# Altium PCB SAMA5D27-SOM1-MFG-03.PcbDoc (part 4 of 6)
Units mm, origin at the board's own origin, x right, y up, seen from the top; angles counter-clockwise.
Board outline 40.03 x 38.03 mm, 6 copper layers (TOP, GND, IN2, IN3, PWR, BOTTOM), stack 1.24 mm thick; 188 components, 224 nets, 901 pads, 644 vias.
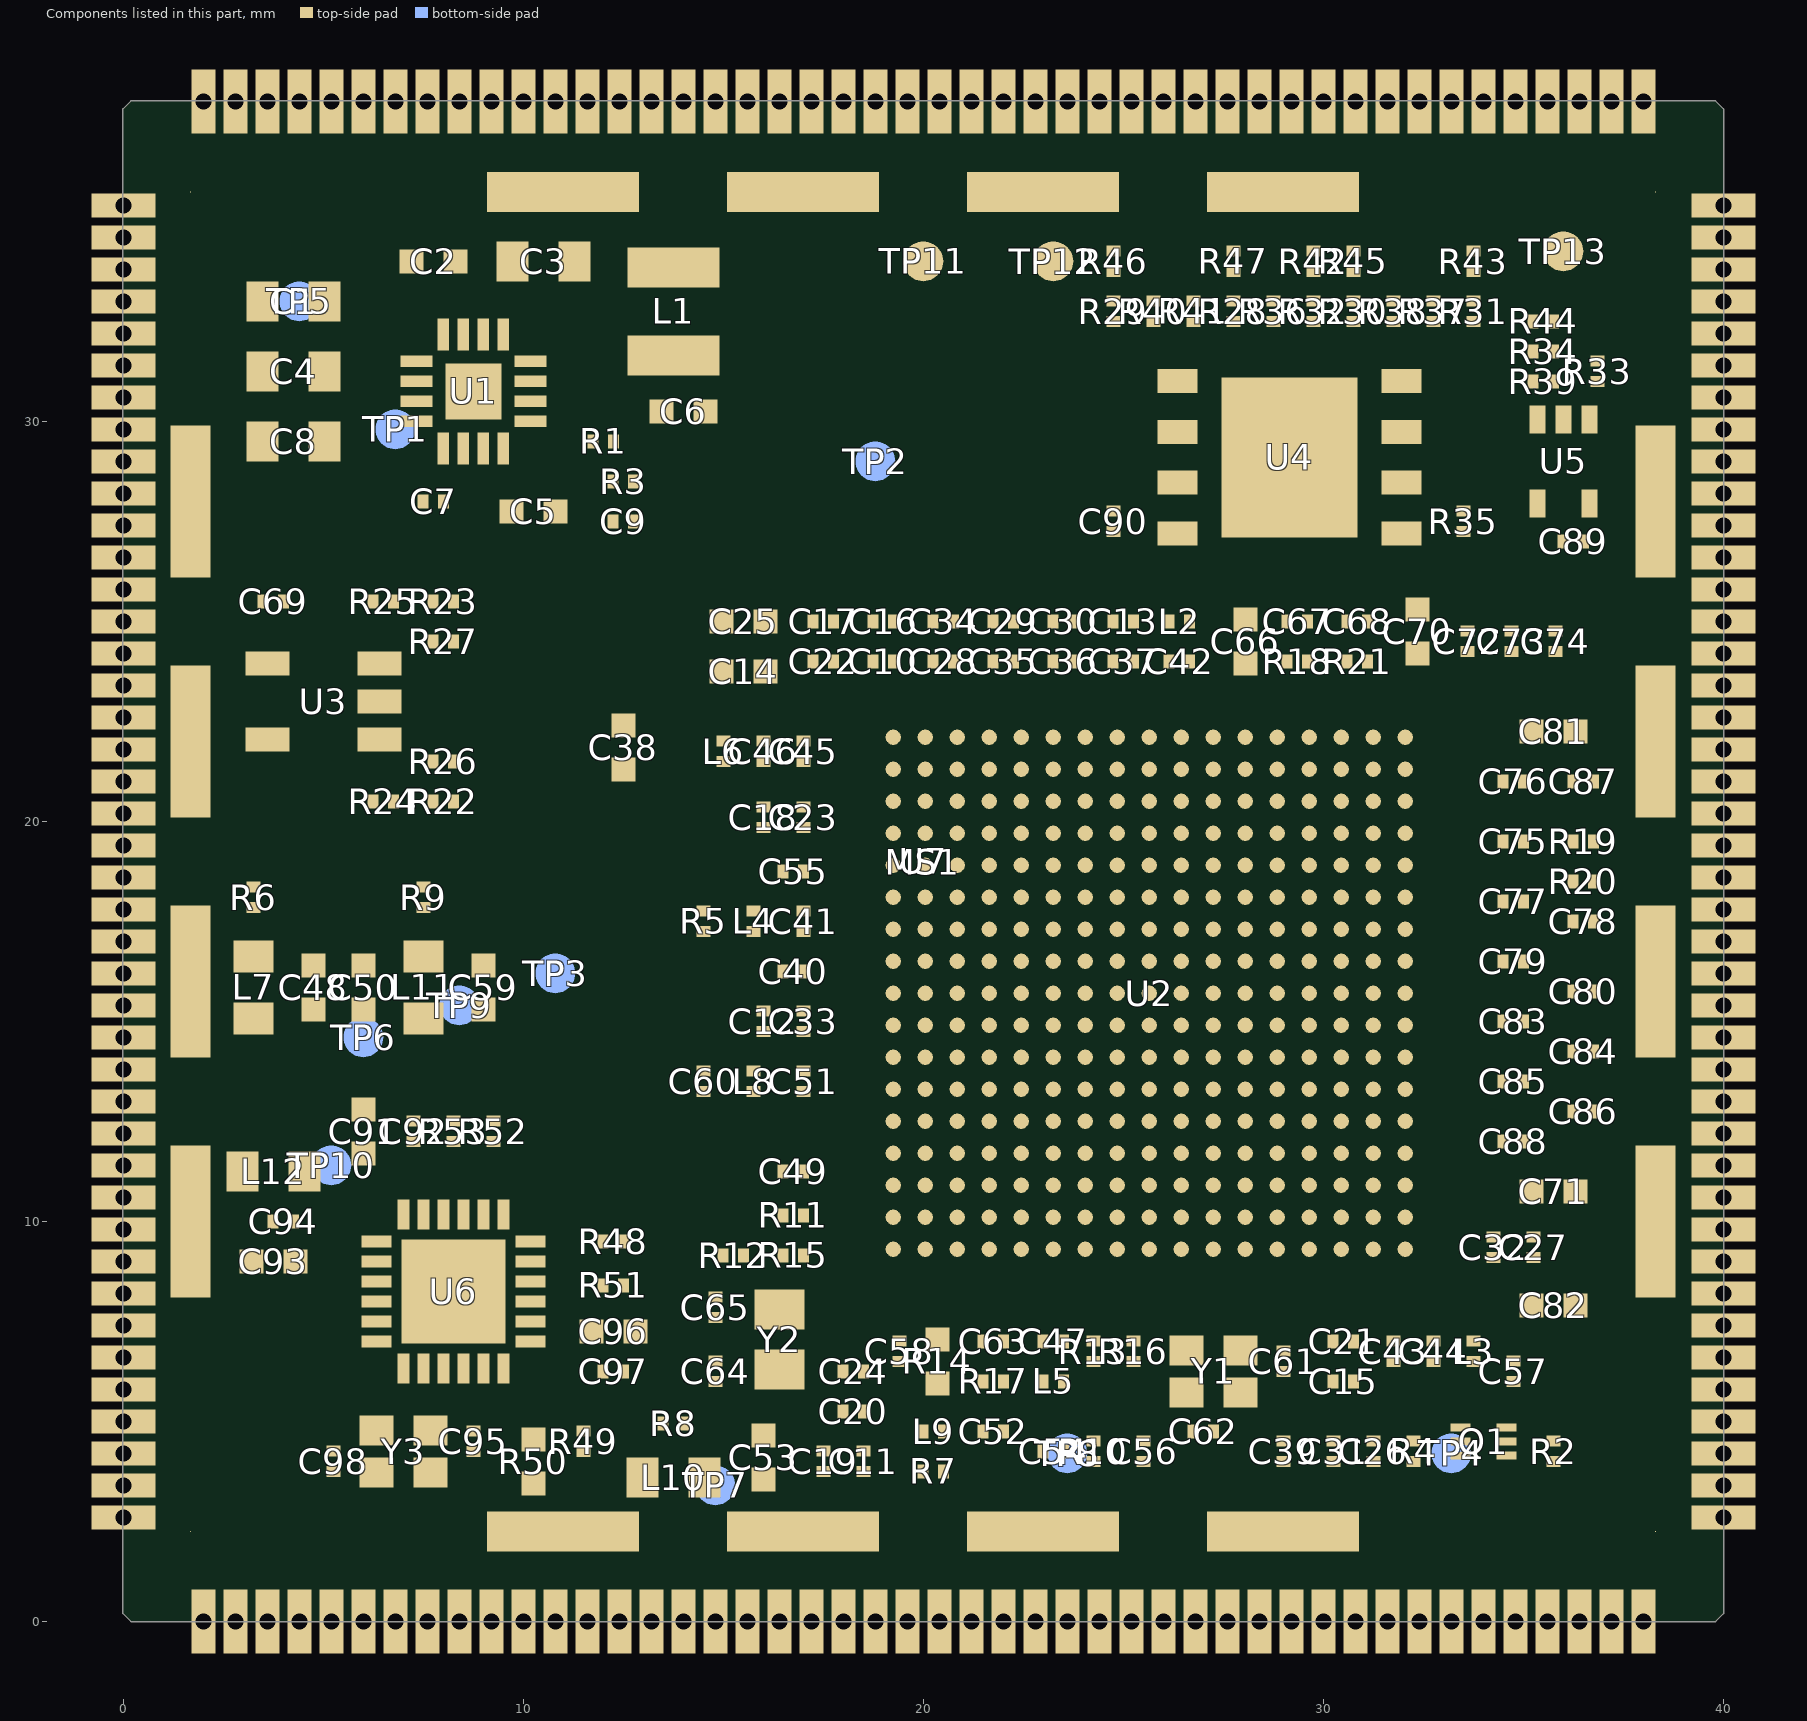
[diagram p8: the components of this part, seen from the top]

## Polygon pours and split planes (outlines as drawn) (continued)
QSPI_CS_PB06 on TOP "TOP-QSPI_CS_PB06 1" (solid, remove dead copper, pour order 1567): 26 vertices, not listed, extent 34.85,32.325 35.261,32.675
QSPI_CS_PB06 on TOP "TOP-QSPI_CS_PB06 2" (solid, remove dead copper, pour order 1538): 29 vertices, not listed, extent 35.105,30.984 35.385,31.435
QSPI_CS_PB06 on TOP "TOP-QSPI_CS_PB06 3" (solid, remove dead copper, pour order 1528): 29 vertices, not listed, extent 35.105,31.734 35.385,32.185
QSPI_CS_PB06 on TOP "TOP-QSPI_CS_PB06 4" (solid, remove dead copper, pour order 1530): 29 vertices, not listed, extent 35.105,31.315 35.385,31.766
DIS_BOOT on TOP "TOP-DIS_BOOT" (solid, remove dead copper, pour order 1679): 25 vertices, not listed, extent 36.475,30.034 36.825,30.615
DIS_BOOT on TOP "TOP-DIS_BOOT 1" (solid, remove dead copper, pour order 1489): 24 vertices, not listed, extent 36.701,30.685 36.999,31.011
DIS_BOOT on TOP "TOP-DIS_BOOT 2" (solid, remove dead copper, pour order 1516): 29 vertices, not listed, extent 36.834,30.855 37.285,31.135
N83440 on TOP "TOP-N83440" (solid, remove dead copper, pour order 1615): 25 vertices, not listed, extent 9.735,4.375 10.266,4.725
N83440 on TOP "TOP-N83440 1" (solid, remove dead copper, pour order 1670): 28 vertices, not listed, extent 7.85,5.694 8.15,6.341
GND on TOP "TOP-GND" (solid, remove dead copper, pour order 1715): 241 vertices, not listed, extent 27.971,31.715 29.529,35.08
GND on TOP "TOP-GND 1" (solid, remove dead copper, pour order 1724): 17320 vertices, not listed, extent 1.1,1.1 38.9,36.9
GND on TOP "TOP-GND 2" (solid, remove dead copper, pour order 1709): 52 vertices, not listed, extent 6.815,28.325 7.785,29.71
GND on TOP "TOP-GND 3" (solid, remove dead copper, pour order 1713): 37.615,24.04 37.615,25.94 38.9,25.94 38.9,24.04 37.615,24.04
GND on TOP "TOP-GND 4" (solid, remove dead copper, pour order 1718): 172 vertices, not listed, extent 6.46,20.715 8.099,25.285
GND on TOP "TOP-GND 5" (solid, remove dead copper, pour order 1706): 144 vertices, not listed, extent 32.379,20.325 34.344,22.249
GND on TOP "TOP-GND 6" (solid, remove dead copper, pour order 1719): 300 vertices, not listed, extent 33.14,18.715 36.48,21.9
GND on TOP "TOP-GND 7" (solid, remove dead copper, pour order 1714): 625 vertices, not listed, extent 19.521,7.975 22.635,10.98
GND on TOP "TOP-GND 8" (solid, remove dead copper, pour order 1711): 12.483,32.35 12.033,32.8 9.35,32.8 9.35,33.35 10.275,33.35 10.275,33.492 10.7,33.492 10.7,33.15 12.6,33.15 12.6,32.35 12.483,32.35
GND on TOP "TOP-GND 9" (solid, remove dead copper, pour order 1707): 32.705,29.95 32.6,30.012 32.6,30.185 32.6,30.555 32.6,31.435 32.761,31.435 33.235,30.961 33.235,29.989 33.196,29.95 32.705,29.95
GND on TOP "TOP-GND 10" (solid, remove dead copper, pour order 1717): 183 vertices, not listed, extent 10.479,10.415 16.205,11.788
GND on TOP "TOP-GND 11" (solid, remove dead copper, pour order 1708): 21 vertices, not listed, extent 33.965,7.615 34.925,9.33
GND on TOP "TOP-GND 12" (solid, remove dead copper, pour order 1710): 109 vertices, not listed, extent 22.22,6.276 23.518,8.989
GND on TOP "TOP-GND 13" (solid, remove dead copper, pour order 1705): 82 vertices, not listed, extent 20.7,6.28 21.79,7.496
ETH_INT_IRQ_PD31 on TOP "TOP-ETH_INT_IRQ_PD31" (solid, remove dead copper, pour order 1676): 28 vertices, not listed, extent 10.159,9.35 10.806,9.65
ETH_INT_IRQ_PD31 on TOP "TOP-ETH_INT_IRQ_PD31 1" (solid, remove dead copper, pour order 1589): 26 vertices, not listed, extent 11.6,9.325 12.011,9.675
ETH_INT_IRQ_PD31 on TOP "TOP-ETH_INT_IRQ_PD31 2" (solid, remove dead copper, pour order 1523): 29 vertices, not listed, extent 11.855,9.484 12.135,9.935
GMDIO_PD18 on TOP "TOP-GMDIO_PD18" (solid, remove dead copper, pour order 1651): 35 vertices, not listed, extent 12.169,5.069 12.581,5.481
GMDIO_PD18 on TOP "TOP-GMDIO_PD18 1" (solid, remove dead copper, pour order 1510): 29 vertices, not listed, extent 11.067,4.615 11.516,4.895
GMDIO_PD18 on TOP "TOP-GMDIO_PD18 2" (solid, remove dead copper, pour order 1501): 28 vertices, not listed, extent 11.484,4.615 11.908,4.895
GMDIO_PD18 on TOP "TOP-GMDIO_PD18 3" (solid, remove dead copper, pour order 1665): 28 vertices, not listed, extent 8.35,5.694 8.65,6.341
GMDC_PD17 on TOP "TOP-GMDC_PD17" (solid, remove dead copper, pour order 1619): 35 vertices, not listed, extent 10.358,5.563 10.816,5.937
GMDC_PD17 on TOP "TOP-GMDC_PD17 1" (solid, remove dead copper, pour order 1599): 24 vertices, not listed, extent 8.853,5.785 9.147,6.341
GRXDV_PD11 on TOP "TOP-GRXDV_PD11" (solid, remove dead copper, pour order 1522): 29 vertices, not listed, extent 11.855,8.384 12.135,8.835
GRXDV_PD11 on TOP "TOP-GRXDV_PD11 1" (solid, remove dead copper, pour order 1581): 26 vertices, not listed, extent 11.6,8.225 12.011,8.575
GRXDV_PD11 on TOP "TOP-GRXDV_PD11 2" (solid, remove dead copper, pour order 1664): 28 vertices, not listed, extent 10.159,7.85 10.806,8.15
GRXER_PD12 on TOP "TOP-GRXER_PD12" (solid, remove dead copper, pour order 1509): 32 vertices, not listed, extent 10.965,8.827 11.316,9.173
GRXER_PD12 on TOP "TOP-GRXER_PD12 1" (solid, remove dead copper, pour order 1669): 28 vertices, not listed, extent 10.159,8.85 10.806,9.15
PB06/TIOA2/PWML2/QSPI1_CS on TOP "TOP-PB06/TIOA2/PWML2/QSPI1_CS" (solid, remove dead copper, pour order 1633): 35 vertices, not listed, extent 35.568,32.608 35.942,33.066
PB06/TIOA2/PWML2/QSPI1_CS on TOP "TOP-PB06/TIOA2/PWML2/QSPI1_CS 1" (solid, remove dead copper, pour order 1535): 29 vertices, not listed, extent 35.615,32.484 35.895,32.935
GRX0_PD13 on TOP "TOP-GRX0_PD13" (solid, remove dead copper, pour order 1653): 35 vertices, not listed, extent 10.769,6.569 11.181,6.981
GRX0_PD13 on TOP "TOP-GRX0_PD13 1" (solid, remove dead copper, pour order 1675): 28 vertices, not listed, extent 10.159,6.85 10.806,7.15
GRX0_PD13 on TOP "TOP-GRX0_PD13 2" (solid, remove dead copper, pour order 1650): 35 vertices, not listed, extent 11.069,12.219 11.481,12.631
GRX0_PD13 on TOP "TOP-GRX0_PD13 3" (solid, remove dead copper, pour order 1495): 32 vertices, not listed, extent 18.923,12.333 19.266,12.667
GRX1_PD14 on TOP "TOP-GRX1_PD14" (solid, remove dead copper, pour order 1644): 35 vertices, not listed, extent 9.783,6.138 10.241,6.512
GRX1_PD14 on TOP "TOP-GRX1_PD14 1" (solid, remove dead copper, pour order 1601): 27 vertices, not listed, extent 9.484,6.121 9.915,6.529
GTXEN_PD10 on TOP "TOP-GTXEN_PD10" (solid, remove dead copper, pour order 1598): 33 vertices, not listed, extent 9.613,10.913 9.967,11.267
GTXEN_PD10 on TOP "TOP-GTXEN_PD10 1" (solid, remove dead copper, pour order 1673): 28 vertices, not listed, extent 9.35,10.159 9.65,10.806
GTX0_PD15 on TOP "TOP-GTX0_PD15" (solid, remove dead copper, pour order 1647): 35 vertices, not listed, extent 8.813,10.458 9.187,10.916
GTX0_PD15 on TOP "TOP-GTX0_PD15 1" (solid, remove dead copper, pour order 1667): 28 vertices, not listed, extent 8.85,10.159 9.15,10.806
GTX1_PD16 on TOP "TOP-GTX1_PD16" (solid, remove dead copper, pour order 1671): 28 vertices, not listed, extent 8.35,10.159 8.65,10.806
N654631 on TOP "TOP-N654631" (solid, remove dead copper, pour order 1490): 20 vertices, not listed, extent 35.882,30.034 36.118,30.515
N654631 on TOP "TOP-N654631 1" (solid, remove dead copper, pour order 1491): 25 vertices, not listed, extent 35.615,30.63 35.895,31.016
QSPI_CS# on TOP "TOP-QSPI_CS#" (solid, remove dead copper, pour order 1678): 27 vertices, not listed, extent 34.885,27.746 35.366,28.154
QSPI_CS# on TOP "TOP-QSPI_CS# 1" (solid, remove dead copper, pour order 1700): 27 vertices, not listed, extent 31.934,26.991 32.715,27.399
QSPI_CS# on TOP "TOP-QSPI_CS# 2" (solid, remove dead copper, pour order 1524): 29 vertices, not listed, extent 33.065,27.105 33.516,27.385
QSPI_CS# on TOP "TOP-QSPI_CS# 3" (solid, remove dead copper, pour order 1582): 26 vertices, not listed, extent 33.325,26.85 33.675,27.261
QSPI_IO0_PB07 on TOP "TOP-QSPI_IO0_PB07" (solid, remove dead copper, pour order 1586): 26 vertices, not listed, extent 29.575,33.35 29.925,33.761
QSPI_IO0_PB07 on TOP "TOP-QSPI_IO0_PB07 1" (solid, remove dead copper, pour order 1521): 29 vertices, not listed, extent 29.315,33.605 29.766,33.885
QSPI_IO0_PB07 on TOP "TOP-QSPI_IO0_PB07 2" (solid, remove dead copper, pour order 1503): 28 vertices, not listed, extent 28.734,32.865 29.158,33.145
QSPI_IO0_PB07 on TOP "TOP-QSPI_IO0_PB07 3" (solid, remove dead copper, pour order 1548): 29 vertices, not listed, extent 29.315,32.865 29.766,33.145
QSPI_IO0_PB07 on TOP "TOP-QSPI_IO0_PB07 4" (solid, remove dead copper, pour order 1571): 26 vertices, not listed, extent 29.575,32.989 29.925,33.4
QSPI_IO1_PB08 on TOP "TOP-QSPI_IO1_PB08" (solid, remove dead copper, pour order 1587): 26 vertices, not listed, extent 33.575,33.35 33.925,33.761
QSPI_IO1_PB08 on TOP "TOP-QSPI_IO1_PB08 1" (solid, remove dead copper, pour order 1526): 29 vertices, not listed, extent 33.315,33.605 33.766,33.885
QSPI_IO1_PB08 on TOP "TOP-QSPI_IO1_PB08 2" (solid, remove dead copper, pour order 1504): 28 vertices, not listed, extent 32.734,32.865 33.158,33.145
QSPI_IO1_PB08 on TOP "TOP-QSPI_IO1_PB08 3" (solid, remove dead copper, pour order 1552): 29 vertices, not listed, extent 33.315,32.865 33.766,33.145
QSPI_IO1_PB08 on TOP "TOP-QSPI_IO1_PB08 4" (solid, remove dead copper, pour order 1568): 26 vertices, not listed, extent 33.575,32.989 33.925,33.4
QSPI_IO2_PB09 on TOP "TOP-QSPI_IO2_PB09" (solid, remove dead copper, pour order 1502): 28 vertices, not listed, extent 31.342,32.865 31.766,33.145
QSPI_IO2_PB09 on TOP "TOP-QSPI_IO2_PB09 1" (solid, remove dead copper, pour order 1577): 26 vertices, not listed, extent 30.575,33.35 30.925,33.761
QSPI_IO2_PB09 on TOP "TOP-QSPI_IO2_PB09 2" (solid, remove dead copper, pour order 1525): 29 vertices, not listed, extent 30.734,33.605 31.185,33.885
QSPI_IO2_PB09 on TOP "TOP-QSPI_IO2_PB09 3" (solid, remove dead copper, pour order 1564): 26 vertices, not listed, extent 30.575,32.989 30.925,33.4
QSPI_IO2_PB09 on TOP "TOP-QSPI_IO2_PB09 4" (solid, remove dead copper, pour order 1553): 29 vertices, not listed, extent 30.734,32.865 31.185,33.145
QSPI_IO3_PB10 on TOP "TOP-QSPI_IO3_PB10" (solid, remove dead copper, pour order 1505): 28 vertices, not listed, extent 25.342,32.865 25.766,33.145
QSPI_IO3_PB10 on TOP "TOP-QSPI_IO3_PB10 1" (solid, remove dead copper, pour order 1584): 26 vertices, not listed, extent 24.575,33.35 24.925,33.761
QSPI_IO3_PB10 on TOP "TOP-QSPI_IO3_PB10 2" (solid, remove dead copper, pour order 1519): 29 vertices, not listed, extent 24.734,33.605 25.185,33.885
QSPI_IO3_PB10 on TOP "TOP-QSPI_IO3_PB10 3" (solid, remove dead copper, pour order 1569): 26 vertices, not listed, extent 24.575,32.989 24.925,33.4
QSPI_IO3_PB10 on TOP "TOP-QSPI_IO3_PB10 4" (solid, remove dead copper, pour order 1549): 29 vertices, not listed, extent 24.734,32.865 25.185,33.145
GTXCK_PD09 on TOP "TOP-GTXCK_PD09" (solid, remove dead copper, pour order 1643): 35 vertices, not listed, extent 10.458,8.313 10.916,8.687
GTXCK_PD09 on TOP "TOP-GTXCK_PD09 1" (solid, remove dead copper, pour order 1666): 28 vertices, not listed, extent 10.159,8.35 10.806,8.65
QSPI_SCK_PB05 on TOP "TOP-QSPI_SCK_PB05" (solid, remove dead copper, pour order 1576): 26 vertices, not listed, extent 27.575,33.35 27.925,33.761
QSPI_SCK_PB05 on TOP "TOP-QSPI_SCK_PB05 1" (solid, remove dead copper, pour order 1515): 29 vertices, not listed, extent 27.315,33.605 27.766,33.885
QSPI_SCK_PB05 on TOP "TOP-QSPI_SCK_PB05 2" (solid, remove dead copper, pour order 1508): 28 vertices, not listed, extent 26.734,32.865 27.158,33.145
QSPI_SCK_PB05 on TOP "TOP-QSPI_SCK_PB05 3" (solid, remove dead copper, pour order 1540): 29 vertices, not listed, extent 27.315,32.865 27.766,33.145
QSPI_SCK_PB05 on TOP "TOP-QSPI_SCK_PB05 4" (solid, remove dead copper, pour order 1561): 26 vertices, not listed, extent 27.575,32.989 27.925,33.4
N556582 on TOP "TOP-N556582" (solid, remove dead copper, pour order 1551): 29 vertices, not listed, extent 26.605,4.734 26.885,5.185
N556582 on TOP "TOP-N556582 1" (solid, remove dead copper, pour order 1600): 35 vertices, not listed, extent 24.773,8.988 25.162,9.377
N556582 on TOP "TOP-N556582 2" (solid, remove dead copper, pour order 1683): 30 vertices, not listed, extent 26.541,5.085 26.863,5.741
N556582 on TOP "TOP-N556582 3" (solid, remove dead copper, pour order 1614): 24 vertices, not listed, extent 26.559,5.574 27.173,5.876
N556866 on TOP "TOP-N556866" (solid, remove dead copper, pour order 1608): 36 vertices, not listed, extent 22.92,9.77 23.332,10.182
N556866 on TOP "TOP-N556866 1" (solid, remove dead copper, pour order 1499): 28 vertices, not listed, extent 21.865,5.984 22.145,6.408
N556866 on TOP "TOP-N556866 2" (solid, remove dead copper, pour order 1532): 29 vertices, not listed, extent 21.865,6.565 22.145,7.016
N556866 on TOP "TOP-N556866 3" (solid, remove dead copper, pour order 1537): 29 vertices, not listed, extent 21.865,6.984 22.145,7.435
VDDIN_3V3 on TOP "TOP-VDDIN_3V3" (solid, remove dead copper, pour order 1716): 8.35,31.8 8.35,32.683 8.35,33.15 8,33.5 8,33.65 8,34.35 8,34.85 9.15,34.85 9.15,32.8 9.15,31.8 8.35,31.8
N557076 on TOP "TOP-N557076" (solid, remove dead copper, pour order 1638): 35 vertices, not listed, extent 17.158,8.563 17.616,8.937
N557076 on TOP "TOP-N557076 1" (solid, remove dead copper, pour order 1482): 20 vertices, not listed, extent 15.39,8.865 15.62,9.166
VDDIODDR on TOP "TOP-VDDIODDR" (solid, remove dead copper, pour order 1616): 35 vertices, not listed, extent 6.534,31.313 6.992,31.687
VDDIODDR on TOP "TOP-VDDIODDR 1" (solid, remove dead copper, pour order 1659): 29 vertices, not listed, extent 6.665,31.36 7.341,31.64
VDDIODDR on TOP "TOP-VDDIODDR 2" (solid, remove dead copper, pour order 1722): 10.9,33.35 10.9,34.5 14.9,34.5 14.9,33.35 12.6,33.35 10.9,33.35
VDDIODDR on TOP "TOP-VDDIODDR 3" (solid, remove dead copper, pour order 1712): 4.65,30.75 4.65,31.75 6,31.75 6.1,31.65 6.1,31.3 6.25,31.15 7.725,31.15 7.725,30.85 6.5,30.85 6.4,30.75 4.65,30.75
N556920 on TOP "TOP-N556920" (solid, remove dead copper, pour order 1566): 26 vertices, not listed, extent 16.989,8.975 17.4,9.325
N556920 on TOP "TOP-N556920 1" (solid, remove dead copper, pour order 1604): 36 vertices, not listed, extent 19.72,9.77 20.132,10.182
PB05/TCLK2/PWMH2/QSPI1_SCK on TOP "TOP-PB05/TCLK2/PWMH2/QSPI1_SCK" (solid, remove dead copper, pour order 1634): 35 vertices, not listed, extent 27.563,34.308 27.937,34.766
PB05/TCLK2/PWMH2/QSPI1_SCK on TOP "TOP-PB05/TCLK2/PWMH2/QSPI1_SCK 1" (solid, remove dead copper, pour order 1560): 26 vertices, not listed, extent 27.575,34.239 27.925,34.65
ETH_RXM on TOP "TOP-ETH_RXM" (solid, remove dead copper, pour order 1556): 33 vertices, not listed, extent 2.788,6.278 3.134,6.623
ETH_RXM on TOP "TOP-ETH_RXM 1" (solid, remove dead copper, pour order 1697): 35 vertices, not listed, extent 5.7,8.35 6.7,8.636
N556986 on TOP "TOP-N556986" (solid, remove dead copper, pour order 1580): 26 vertices, not listed, extent 16.989,9.975 17.4,10.325
N556986 on TOP "TOP-N556986 1" (solid, remove dead copper, pour order 1605): 36 vertices, not listed, extent 19.72,10.57 20.132,10.982
PB10/TIOB3/PWMEXTRG1/QSPI1_IO3 on TOP "TOP-PB10/TIOB3/PWMEXTRG1/QSPI1_IO3" (solid, remove dead copper, pour order 1623): 35 vertices, not listed, extent 24.563,34.308 24.937,34.766
PB10/TIOB3/PWMEXTRG1/QSPI1_IO3 on TOP "TOP-PB10/TIOB3/PWMEXTRG1/QSPI1_IO3 1" (solid, remove dead copper, pour order 1572): 26 vertices, not listed, extent 24.575,34.239 24.925,34.65
ETH_RXP on TOP "TOP-ETH_RXP" (solid, remove dead copper, pour order 1558): 33 vertices, not listed, extent 2.788,5.777 3.134,6.122
ETH_RXP on TOP "TOP-ETH_RXP 1" (solid, remove dead copper, pour order 1699): 35 vertices, not listed, extent 5.7,7.864 6.7,8.15
N557072 on TOP "TOP-N557072" (solid, remove dead copper, pour order 1640): 35 vertices, not listed, extent 24.063,4.808 24.437,5.266
N557072 on TOP "TOP-N557072 1" (solid, remove dead copper, pour order 1591): 26 vertices, not listed, extent 24.075,4.489 24.425,4.9
PB09/TIOA3/PWMFI1/QSPI1_IO2 on TOP "TOP-PB09/TIOA3/PWMFI1/QSPI1_IO2" (solid, remove dead copper, pour order 1630): 35 vertices, not listed, extent 30.563,34.308 30.937,34.766
PB09/TIOA3/PWMFI1/QSPI1_IO2 on TOP "TOP-PB09/TIOA3/PWMFI1/QSPI1_IO2 1" (solid, remove dead copper, pour order 1562): 26 vertices, not listed, extent 30.575,34.239 30.925,34.65
N556458 on TOP "TOP-N556458" (solid, remove dead copper, pour order 1613): 36 vertices, not listed, extent 23.871,8.861 24.229,9.316
PB08/TCLK3/PWML3/QSPI1_IO1 on TOP "TOP-PB08/TCLK3/PWML3/QSPI1_IO1" (solid, remove dead copper, pour order 1631): 35 vertices, not listed, extent 33.858,34.068 34.316,34.442
PB08/TCLK3/PWML3/QSPI1_IO1 on TOP "TOP-PB08/TCLK3/PWML3/QSPI1_IO1 1" (solid, remove dead copper, pour order 1550): 29 vertices, not listed, extent 33.734,34.115 34.185,34.395
N556482 on TOP "TOP-N556482" (solid, remove dead copper, pour order 1592): 26 vertices, not listed, extent 24.075,6.989 24.425,7.4
N556482 on TOP "TOP-N556482 1" (solid, remove dead copper, pour order 1483): 31 vertices, not listed, extent 23.216,9.085 23.465,9.334
ETH_TXM on TOP "TOP-ETH_TXM" (solid, remove dead copper, pour order 1559): 33 vertices, not listed, extent 2.692,3.878 3.038,4.223
ETH_TXM on TOP "TOP-ETH_TXM 1" (solid, remove dead copper, pour order 1698): 35 vertices, not listed, extent 5.7,7.35 6.7,7.636
N556646 on TOP "TOP-N556646" (solid, remove dead copper, pour order 1533): 29 vertices, not listed, extent 14.784,7.965 15.235,8.245
N556646 on TOP "TOP-N556646 1" (solid, remove dead copper, pour order 1695): 31 vertices, not listed, extent 15.51,7.794 16.415,8.197
N556646 on TOP "TOP-N556646 2" (solid, remove dead copper, pour order 1690): 32 vertices, not listed, extent 16.385,7.329 17.29,7.807
N556646 on TOP "TOP-N556646 3" (solid, remove dead copper, pour order 1493): 32 vertices, not listed, extent 18.923,9.133 19.266,9.467
N556626 on TOP "TOP-N556626" (solid, remove dead copper, pour order 1536): 29 vertices, not listed, extent 14.784,5.855 15.235,6.135
N556626 on TOP "TOP-N556626 1" (solid, remove dead copper, pour order 1694): 31 vertices, not listed, extent 15.51,5.904 16.415,6.306
N556626 on TOP "TOP-N556626 2" (solid, remove dead copper, pour order 1688): 31 vertices, not listed, extent 16.385,6.293 17.265,6.771
N556626 on TOP "TOP-N556626 3" (solid, remove dead copper, pour order 1607): 36 vertices, not listed, extent 19.72,8.97 20.132,9.382
ETH_TXP on TOP "TOP-ETH_TXP" (solid, remove dead copper, pour order 1557): 33 vertices, not listed, extent 2.692,3.377 3.038,3.722
ETH_TXP on TOP "TOP-ETH_TXP 1" (solid, remove dead copper, pour order 1696): 35 vertices, not listed, extent 5.7,6.864 6.7,7.15
N556590 on TOP "TOP-N556590" (solid, remove dead copper, pour order 1529): 29 vertices, not listed, extent 28.565,6.615 29.016,6.895
N556590 on TOP "TOP-N556590 1" (solid, remove dead copper, pour order 1484): 31 vertices, not listed, extent 25.427,9.077 25.688,9.338
N556590 on TOP "TOP-N556590 2" (solid, remove dead copper, pour order 1691): 27 vertices, not listed, extent 27.909,6.566 28.615,6.959
N556590 on TOP "TOP-N556590 3" (solid, remove dead copper, pour order 1554): 22 vertices, not listed, extent 27.793,6.759 28.057,7.29
PB07/TIOB2/PWMH3/QSPI1_IO0 on TOP "TOP-PB07/TIOB2/PWMH3/QSPI1_IO0" (solid, remove dead copper, pour order 1624): 35 vertices, not listed, extent 29.563,34.308 29.937,34.766
PB07/TIOB2/PWMH3/QSPI1_IO0 on TOP "TOP-PB07/TIOB2/PWMH3/QSPI1_IO0 1" (solid, remove dead copper, pour order 1570): 26 vertices, not listed, extent 29.575,34.239 29.925,34.65
PC00/LCDDAT21/FLEXCOM0_IO4 on TOP "TOP-PC00/LCDDAT21/FLEXCOM0_IO4" (solid, remove dead copper, pour order 1636): 35 vertices, not listed, extent 37.213,22.684 37.587,23.142
PC02/LCDDAT23/CANRX0/SPI1_MOSI/ on TOP "TOP-PC02/LCDDAT23/CANRX0/SPI1_MOSI/" (solid, remove dead copper, pour order 1635): 35 vertices, not listed, extent 34.284,28.463 34.742,28.837
PC02/LCDDAT23/CANRX0/SPI1_MOSI/ on TOP "TOP-PC02/LCDDAT23/CANRX0/SPI1_MOSI/ 1" (solid, remove dead copper, pour order 1645): 35 vertices, not listed, extent 36.813,21.834 37.187,22.292
N65791 on TOP "TOP-N65791" (solid, remove dead copper, pour order 1481): 21 vertices, not listed, extent 32.629,32.235 32.871,32.511
N65791 on TOP "TOP-N65791 1" (solid, remove dead copper, pour order 1689): 26 vertices, not listed, extent 31.934,28.281 32.68,28.649
N65789 on TOP "TOP-N65789" (solid, remove dead copper, pour order 1492): 22 vertices, not listed, extent 26.224,30.989 26.476,31.435
N65789 on TOP "TOP-N65789 1" (solid, remove dead copper, pour order 1520): 29 vertices, not listed, extent 28.734,32.355 29.185,32.635
PA12/SDMMC0_WP/IRQ/NRD/NANDOE on TOP "TOP-PA12/SDMMC0_WP/IRQ/NRD/NANDOE" (solid, remove dead copper, pour order 1654): 35 vertices, not listed, extent 36.769,4.919 37.181,5.331
PA12/SDMMC0_WP/IRQ/NRD/NANDOE on TOP "TOP-PA12/SDMMC0_WP/IRQ/NRD/NANDOE 1" (solid, remove dead copper, pour order 1603): 36 vertices, not listed, extent 31.968,12.17 32.38,12.582
N65787 on TOP "TOP-N65787" (solid, remove dead copper, pour order 1578): 26 vertices, not listed, extent 31.575,32.1 31.925,32.511
N65787 on TOP "TOP-N65787 1" (solid, remove dead copper, pour order 1701): 27 vertices, not listed, extent 31.934,29.531 32.715,29.939
N65781 on TOP "TOP-N65781" (solid, remove dead copper, pour order 1680): 24 vertices, not listed, extent 25.67,28.31 26.366,28.62
N65781 on TOP "TOP-N65781 1" (solid, remove dead copper, pour order 1480): 21 vertices, not listed, extent 25.629,32.235 25.871,32.511
N65779 on TOP "TOP-N65779" (solid, remove dead copper, pour order 1681): 24 vertices, not listed, extent 25.665,29.577 26.366,29.893
N65779 on TOP "TOP-N65779 1" (solid, remove dead copper, pour order 1500): 28 vertices, not listed, extent 26.734,32.355 27.158,32.635
RFU1 on IN2 "IN2-RFU1" (solid, remove dead copper, pour order 1795): 34 vertices, not listed, extent 23.917,33.989 24.283,34.426
PD22/EEPROM_TWCK_PD22 on IN2 "IN2-PD22/EEPROM_TWCK_PD22" (solid, remove dead copper, pour order 1759): 34 vertices, not listed, extent 7.829,22.467 8.266,22.833
PA07/SDMMC0_DAT5/TIOB5/FLEXCOM2 on IN2 "IN2-PA07/SDMMC0_DAT5/TIOB5/FLEXCOM2" (solid, remove dead copper, pour order 1762): 34 vertices, not listed, extent 27.717,3.789 28.083,4.226
PA07/SDMMC0_DAT5/TIOB5/FLEXCOM2 on IN2 "IN2-PA07/SDMMC0_DAT5/TIOB5/FLEXCOM2 1" (solid, remove dead copper, pour order 1830): 34 vertices, not listed, extent 27.578,10.186 27.964,10.572
PA06/SDMMC0_DAT4/TIOA5/FLEXCOM2 on IN2 "IN2-PA06/SDMMC0_DAT4/TIOA5/FLEXCOM2" (solid, remove dead copper, pour order 1801): 34 vertices, not listed, extent 32.439,8.717 32.876,9.083
PA00/SDMMC0_CK/QSPIO0_SLK/D0 on IN2 "IN2-PA00/SDMMC0_CK/QSPIO0_SLK/D0" (solid, remove dead copper, pour order 1763): 34 vertices, not listed, extent 29.067,8.474 29.433,8.911
STROBE on IN2 "IN2-STROBE" (solid, remove dead copper, pour order 1749): 34 vertices, not listed, extent 28.267,8.474 28.633,8.911
DATA on IN2 "IN2-DATA" (solid, remove dead copper, pour order 1850): 34 vertices, not listed, extent 28.378,9.386 28.764,9.772
PA05/SDMMC0_DAT3/QSPI0_IO3/D5 on IN2 "IN2-PA05/SDMMC0_DAT3/QSPI0_IO3/D5" (solid, remove dead copper, pour order 1859): 34 vertices, not listed, extent 31.578,8.586 31.964,8.972
PA04/SDMMC0_DAT2/QSPI0_IO2/D4 on IN2 "IN2-PA04/SDMMC0_DAT2/QSPI0_IO2/D4" (solid, remove dead copper, pour order 1740): 34 vertices, not listed, extent 30.667,8.474 31.033,8.911
PA03/SDMMC0_DAT1/QSPI0_IO1/D3 on IN2 "IN2-PA03/SDMMC0_DAT1/QSPI0_IO1/D3" (solid, remove dead copper, pour order 1866): 34 vertices, not listed, extent 29.178,9.386 29.564,9.772
PA02/SDMMC0_DAT0/QSPI0_IO0/D2 on IN2 "IN2-PA02/SDMMC0_DAT0/QSPI0_IO0/D2" (solid, remove dead copper, pour order 1741): 34 vertices, not listed, extent 29.867,8.474 30.233,8.911
USBB_M on IN2 "IN2-USBB_M" (solid, remove dead copper, pour order 1726): 32 vertices, not listed, extent 27.378,9.575 27.661,9.825
USBB_P on IN2 "IN2-USBB_P" (solid, remove dead copper, pour order 1730): 32 vertices, not listed, extent 27.491,8.889 27.809,9.23
COMPN on IN2 "IN2-COMPN" (solid, remove dead copper, pour order 1849): 34 vertices, not listed, extent 24.936,5.686 25.322,6.072
COMPP on IN2 "IN2-COMPP" (solid, remove dead copper, pour order 1848): 34 vertices, not listed, extent 23.936,5.686 24.322,6.072
PIOBU2 on IN2 "IN2-PIOBU2" (solid, remove dead copper, pour order 1857): 34 vertices, not listed, extent 2.528,9.928 2.914,10.314
PIOBU2 on IN2 "IN2-PIOBU2 1" (solid, remove dead copper, pour order 1764): 34 vertices, not listed, extent 14.124,10.867 14.561,11.233
PIOBU7 on IN2 "IN2-PIOBU7" (solid, remove dead copper, pour order 1732): 32 vertices, not listed, extent 20.105,11.933 20.461,12.267
PIOBU7 on IN2 "IN2-PIOBU7 1" (solid, remove dead copper, pour order 1814): 34 vertices, not listed, extent 3.528,8.178 3.914,8.564
PIOBU6 on IN2 "IN2-PIOBU6" (solid, remove dead copper, pour order 1818): 34 vertices, not listed, extent 21.736,11.786 22.122,12.172
PIOBU5 on IN2 "IN2-PIOBU5" (solid, remove dead copper, pour order 1760): 34 vertices, not listed, extent 11.024,5.167 11.461,5.533
PIOBU4 on IN2 "IN2-PIOBU4" (solid, remove dead copper, pour order 1776): 34 vertices, not listed, extent 4.039,7.717 4.476,8.083
PIOBU4 on IN2 "IN2-PIOBU4 1" (solid, remove dead copper, pour order 1851): 34 vertices, not listed, extent 20.936,11.786 21.322,12.172
PIOBU3 on IN2 "IN2-PIOBU3" (solid, remove dead copper, pour order 1863): 34 vertices, not listed, extent 20.936,10.986 21.322,11.372
PIOBU1 on IN2 "IN2-PIOBU1" (solid, remove dead copper, pour order 1828): 34 vertices, not listed, extent 20.136,12.586 20.522,12.972
PD26/AD7 on IN2 "IN2-PD26/AD7" (solid, remove dead copper, pour order 1746): 34 vertices, not listed, extent 13.074,10.467 13.511,10.833
PD20/TIOA2/TWCK1/AD1 on IN2 "IN2-PD20/TIOA2/TWCK1/AD1" (solid, remove dead copper, pour order 1820): 34 vertices, not listed, extent 19.336,13.386 19.722,13.772
PD20/TIOA2/TWCK1/AD1 on IN2 "IN2-PD20/TIOA2/TWCK1/AD1 1" (solid, remove dead copper, pour order 1803): 34 vertices, not listed, extent 12.228,12.178 12.614,12.564
PD29/JTAG_TDO on IN2 "IN2-PD29/JTAG_TDO" (solid, remove dead copper, pour order 1812): 34 vertices, not listed, extent 19.336,12.586 19.722,12.972
PD29/JTAG_TDO on IN2 "IN2-PD29/JTAG_TDO 1" (solid, remove dead copper, pour order 1747): 34 vertices, not listed, extent 10.339,11.667 10.776,12.033
PA14/SPI0_SPCK/TK1/QSPI0_SCK/I2 on IN2 "IN2-PA14/SPI0_SPCK/TK1/QSPI0_SCK/I2" (solid, remove dead copper, pour order 1864): 34 vertices, not listed, extent 34.936,13.736 35.322,14.122
PA14/SPI0_SPCK/TK1/QSPI0_SCK/I2 on IN2 "IN2-PA14/SPI0_SPCK/TK1/QSPI0_SCK/I2 1" (solid, remove dead copper, pour order 1798): 34 vertices, not listed, extent 32.439,12.717 32.876,13.083
CLK_AUDIO on IN2 "IN2-CLK_AUDIO" (solid, remove dead copper, pour order 1780): 34 vertices, not listed, extent 24.267,9.274 24.633,9.711
SHDN on IN2 "IN2-SHDN" (solid, remove dead copper, pour order 1778): 34 vertices, not listed, extent 15.574,8.967 16.011,9.333
USBA_P on IN2 "IN2-USBA_P" (solid, remove dead copper, pour order 1731): 32 vertices, not listed, extent 25.891,8.889 26.209,9.23
USBA_M on IN2 "IN2-USBA_M" (solid, remove dead copper, pour order 1727): 32 vertices, not listed, extent 25.778,9.575 26.061,9.825
RFU0 on IN2 "IN2-RFU0" (solid, remove dead copper, pour order 1875): 34 vertices, not listed, extent 36.778,34.178 37.164,34.564
PA20/SPI0_NPCS3/TIOB0/SDMMC1_DA on IN2 "IN2-PA20/SPI0_NPCS3/TIOB0/SDMMC1_DA" (solid, remove dead copper, pour order 1811): 34 vertices, not listed, extent 25.978,11.228 26.364,11.614
PB04/UTXD4/FIQ/CLASSD_R3 on IN2 "IN2-PB04/UTXD4/FIQ/CLASSD_R3" (solid, remove dead copper, pour order 1728): 32 vertices, not listed, extent 23.511,21.689 23.788,21.995
PB04/UTXD4/FIQ/CLASSD_R3 on IN2 "IN2-PB04/UTXD4/FIQ/CLASSD_R3 1" (solid, remove dead copper, pour order 1787): 34 vertices, not listed, extent 23.767,30.374 24.133,30.811
PA15/SPI0_MOSI/TF1/QSPI0_CS/I2S on IN2 "IN2-PA15/SPI0_MOSI/TF1/QSPI0_CS/I2S" (solid, remove dead copper, pour order 1729): 32 vertices, not listed, extent 35.955,11.912 36.261,12.188
PA15/SPI0_MOSI/TF1/QSPI0_CS/I2S on IN2 "IN2-PA15/SPI0_MOSI/TF1/QSPI0_CS/I2S 1" (solid, remove dead copper, pour order 1839): 34 vertices, not listed, extent 31.578,11.786 31.964,12.172
PA18/SPI0_NPCS1/RK1/QSPI0_IO2/I on IN2 "IN2-PA18/SPI0_NPCS1/RK1/QSPI0_IO2/I" (solid, remove dead copper, pour order 1813): 34 vertices, not listed, extent 37.086,8.436 37.472,8.822
PA18/SPI0_NPCS1/RK1/QSPI0_IO2/I on IN2 "IN2-PA18/SPI0_NPCS1/RK1/QSPI0_IO2/I 1" (solid, remove dead copper, pour order 1842): 34 vertices, not listed, extent 31.578,9.386 31.964,9.772
PA19/SPI0_NPCS2/RF1/QSPI0_IO3/T on IN2 "IN2-PA19/SPI0_NPCS2/RF1/QSPI0_IO3/T" (solid, remove dead copper, pour order 1826): 34 vertices, not listed, extent 30.536,9.628 30.922,10.014
PD21/EEPROM_TWD_PD21 on IN2 "IN2-PD21/EEPROM_TWD_PD21" (solid, remove dead copper, pour order 1768): 34 vertices, not listed, extent 7.824,23.117 8.261,23.483
PC26/CANTX1/A15 on IN2 "IN2-PC26/CANTX1/A15" (solid, remove dead copper, pour order 1825): 34 vertices, not listed, extent 23.578,18.186 23.964,18.572
PC29/FLEXCOM4_IO1/A18 on IN2 "IN2-PC29/FLEXCOM4_IO1/A18" (solid, remove dead copper, pour order 1765): 34 vertices, not listed, extent 30.442,22.964 30.808,23.401
LOWQ# on IN2 "IN2-LOWQ#" (solid, remove dead copper, pour order 1761): 34 vertices, not listed, extent 13.817,8.839 14.183,9.276
LOWQ# on IN2 "IN2-LOWQ# 1" (solid, remove dead copper, pour order 1860): 34 vertices, not listed, extent 20.136,10.986 20.522,11.372
PA22/FLEXCOM1_IO2/SPI1_SPCK/SDM on IN2 "IN2-PA22/FLEXCOM1_IO2/SPI1_SPCK/SDM" (solid, remove dead copper, pour order 1766): 34 vertices, not listed, extent 32.439,9.517 32.876,9.883
PA22/FLEXCOM1_IO2/SPI1_SPCK/SDM on IN2 "IN2-PA22/FLEXCOM1_IO2/SPI1_SPCK/SDM 1" (solid, remove dead copper, pour order 1752): 34 vertices, not listed, extent 36.424,9.317 36.861,9.683
PA21/PCK2/IRQ/TCLK0/SDMMC1_DAT3 on IN2 "IN2-PA21/PCK2/IRQ/TCLK0/SDMMC1_DAT3" (solid, remove dead copper, pour order 1870): 34 vertices, not listed, extent 26.778,10.986 27.164,11.372
PC27/PCK1/CANRX1/A16 on IN2 "IN2-PC27/PCK1/CANRX1/A16" (solid, remove dead copper, pour order 1793): 34 vertices, not listed, extent 31.439,22.967 31.876,23.333
PD04/TWD1/NCS0/PTCROW1 on IN2 "IN2-PD04/TWD1/NCS0/PTCROW1" (solid, remove dead copper, pour order 1819): 34 vertices, not listed, extent 23.336,16.586 23.722,16.972
PB02/PWMFI0/CLASSD_R1 on IN2 "IN2-PB02/PWMFI0/CLASSD_R1" (solid, remove dead copper, pour order 1817): 34 vertices, not listed, extent 23.578,20.828 23.964,21.214
PD05/TWCK1/NCS1/PTCROW2 on IN2 "IN2-PD05/TWCK1/NCS1/PTCROW2" (solid, remove dead copper, pour order 1757): 34 vertices, not listed, extent 14.924,18.067 15.361,18.433
PC28/FLEXCOM4_IO0/PCK2/A17 on IN2 "IN2-PC28/FLEXCOM4_IO0/PCK2/A17" (solid, remove dead copper, pour order 1751): 34 vertices, not listed, extent 32.989,24.567 33.426,24.933
PD03/UTXD1/FIQ/NWAIT/PTCROW0 on IN2 "IN2-PD03/UTXD1/FIQ/NWAIT/PTCROW0" (solid, remove dead copper, pour order 1748): 34 vertices, not listed, extent 18.424,15.917 18.861,16.283
PA25/FLEXCOM1_IO3/SPI1_NPCS0/QS on IN2 "IN2-PA25/FLEXCOM1_IO3/SPI1_NPCS0/QS" (solid, remove dead copper, pour order 1829): 34 vertices, not listed, extent 31.578,10.186 31.964,10.572
PD23/DBGU_RXD on IN2 "IN2-PD23/DBGU_RXD" (solid, remove dead copper, pour order 1794): 34 vertices, not listed, extent 9.349,13.392 9.786,13.758
PD24/DBGU_TXD on IN2 "IN2-PD24/DBGU_TXD" (solid, remove dead copper, pour order 1775): 34 vertices, not listed, extent 14.524,14.117 14.961,14.483
PD25/AD6 on IN2 "IN2-PD25/AD6" (solid, remove dead copper, pour order 1796): 34 vertices, not listed, extent 36.924,19.017 37.361,19.383
PD25/AD6 on IN2 "IN2-PD25/AD6 1" (solid, remove dead copper, pour order 1844): 34 vertices, not listed, extent 21.978,13.628 22.364,14.014
PA23/FLEXCOM1_IO1/SPI1_MOSI/QSP on IN2 "IN2-PA23/FLEXCOM1_IO1/SPI1_MOSI/QSP" (solid, remove dead copper, pour order 1822): 34 vertices, not listed, extent 29.736,9.628 30.122,10.014
PB01/SPI0_SPCK/PWML1/CLASSD_R0 on IN2 "IN2-PB01/SPI0_SPCK/PWML1/CLASSD_R0" (solid, remove dead copper, pour order 1853): 34 vertices, not listed, extent 24.378,20.828 24.764,21.214
PB01/SPI0_SPCK/PWML1/CLASSD_R0 on IN2 "IN2-PB01/SPI0_SPCK/PWML1/CLASSD_R0 1" (solid, remove dead copper, pour order 1841): 34 vertices, not listed, extent 25.078,28.636 25.464,29.022
PD08/NANDRDY/PTCROW5 on IN2 "IN2-PD08/NANDRDY/PTCROW5" (solid, remove dead copper, pour order 1840): 34 vertices, not listed, extent 20.136,14.428 20.522,14.814
PD06/PCK1/NCS2/PTCROW3 on IN2 "IN2-PD06/PCK1/NCS2/PTCROW3" (solid, remove dead copper, pour order 1805): 34 vertices, not listed, extent 19.336,16.028 19.722,16.414
PA26/FLEXCOM1_IO4/SPI1_NPCS1/QS on IN2 "IN2-PA26/FLEXCOM1_IO4/SPI1_NPCS1/QS" (solid, remove dead copper, pour order 1797): 34 vertices, not listed, extent 32.439,11.117 32.876,11.483
PD07/NWR1/NBS1/PTCROW4 on IN2 "IN2-PD07/NWR1/NBS1/PTCROW4" (solid, remove dead copper, pour order 1836): 34 vertices, not listed, extent 22.536,16.586 22.922,16.972
PA24/FLEXCOM1_IO0/SPI1_MISO/QSP on IN2 "IN2-PA24/FLEXCOM1_IO0/SPI1_MISO/QSP" (solid, remove dead copper, pour order 1767): 34 vertices, not listed, extent 32.439,10.317 32.876,10.683
PB03/URXD4/IRQ/PWMEXTRG0/CLASSD on IN2 "IN2-PB03/URXD4/IRQ/PWMEXTRG0/CLASSD" (solid, remove dead copper, pour order 1739): 33 vertices, not listed, extent 24.383,21.633 24.75,22
PB03/URXD4/IRQ/PWMEXTRG0/CLASSD on IN2 "IN2-PB03/URXD4/IRQ/PWMEXTRG0/CLASSD 1" (solid, remove dead copper, pour order 1783): 34 vertices, not listed, extent 24.567,29.124 24.933,29.561
RXD on IN2 "IN2-RXD" (solid, remove dead copper, pour order 1788): 34 vertices, not listed, extent 9.824,12.417 10.261,12.783
PC19/ISI_D10/FLEXCOM3_IO1/A8 on IN2 "IN2-PC19/ISI_D10/FLEXCOM3_IO1/A8" (solid, remove dead copper, pour order 1773): 34 vertices, not listed, extent 18.424,19.917 18.861,20.283
PC17/ISI_D8/RF0/A6 on IN2 "IN2-PC17/ISI_D8/RF0/A6" (solid, remove dead copper, pour order 1771): 34 vertices, not listed, extent 18.424,20.717 18.861,21.083
PC15/ISI_D6/RD0/A4 on IN2 "IN2-PC15/ISI_D6/RD0/A4" (solid, remove dead copper, pour order 1838): 34 vertices, not listed, extent 19.336,17.628 19.722,18.014
PC12/ISI_D3/URXD3/TK0/A1 on IN2 "IN2-PC12/ISI_D3/URXD3/TK0/A1" (solid, remove dead copper, pour order 1733): 32 vertices, not listed, extent 18.674,22.489 19.026,22.87
PC13/ISI_D4/UTXD3/TF0/A2 on IN2 "IN2-PC13/ISI_D4/UTXD3/TF0/A2" (solid, remove dead copper, pour order 1869): 34 vertices, not listed, extent 18.536,21.628 18.922,22.014
QSPI_CS_PB06 on IN2 "IN2-QSPI_CS_PB06" (solid, remove dead copper, pour order 1782): 34 vertices, not listed, extent 34.324,32.317 34.761,32.683
QSPI_CS_PB06 on IN2 "IN2-QSPI_CS_PB06 1" (solid, remove dead copper, pour order 1742): 34 vertices, not listed, extent 29.417,22.889 29.783,23.326
PC22/ISI_VSYNC/FLEXCOM3_IO4/A11 on IN2 "IN2-PC22/ISI_VSYNC/FLEXCOM3_IO4/A11" (solid, remove dead copper, pour order 1769): 34 vertices, not listed, extent 18.424,18.317 18.861,18.683
PC10/ISI_D1/TIOB4/CANTX0 on IN2 "IN2-PC10/ISI_D1/TIOB4/CANTX0" (solid, remove dead copper, pour order 1804): 34 vertices, not listed, extent 14.036,19.728 14.422,20.114
PC11/ISI_D2/TCLK4/CANRX0/A0/NBS on IN2 "IN2-PC11/ISI_D2/TCLK4/CANRX0/A0/NBS" (solid, remove dead copper, pour order 1784): 34 vertices, not listed, extent 19.467,22.489 19.833,22.926
PC20/ISI_D11/FLEXCOM3_IO0/A9 on IN2 "IN2-PC20/ISI_D11/FLEXCOM3_IO0/A9" (solid, remove dead copper, pour order 1743): 34 vertices, not listed, extent 12.124,18.467 12.561,18.833
PC09/FIQ/ISI_D0/TIOA4 on IN2 "IN2-PC09/FIQ/ISI_D0/TIOA4" (solid, remove dead copper, pour order 1837): 34 vertices, not listed, extent 19.336,21.628 19.722,22.014
PC24/ISI_MCK/A13 on IN2 "IN2-PC24/ISI_MCK/A13" (solid, remove dead copper, pour order 1779): 34 vertices, not listed, extent 18.424,17.517 18.861,17.883
PC21/ISI_PCK/FLEXCOM3_IO3/A10 on IN2 "IN2-PC21/ISI_PCK/FLEXCOM3_IO3/A10" (solid, remove dead copper, pour order 1774): 34 vertices, not listed, extent 18.424,19.117 18.861,19.483
GND on IN2 "IN2-GND" (solid, remove dead copper, pour order 1876): 62 vertices, not listed, extent 2.984,31.62 4.091,32.405
GND on IN2 "IN2-GND 1" (solid, remove dead copper, pour order 1898): 243 vertices, not listed, extent 36.374,31.312 38.455,32.338
GND on IN2 "IN2-GND 2" (solid, remove dead copper, pour order 1932): 40 vertices, not listed, extent 1.1,29.295 5.916,32.005
GND on IN2 "IN2-GND 3" (solid, remove dead copper, pour order 1924): 151 vertices, not listed, extent 1.1,26.895 5.016,28.805
GND on IN2 "IN2-GND 4" (solid, remove dead copper, pour order 1917): 153 vertices, not listed, extent 6.851,25.734 10.105,28.905
GND on IN2 "IN2-GND 5" (solid, remove dead copper, pour order 1928): 156 vertices, not listed, extent 1.1,25.295 7.516,26.405
GND on IN2 "IN2-GND 6" (solid, remove dead copper, pour order 1949): 508 vertices, not listed, extent 29.795,24.233 38.9,32.305
GND on IN2 "IN2-GND 7" (solid, remove dead copper, pour order 1923): 185 vertices, not listed, extent 30.82,23.509 36.241,25.555
GND on IN2 "IN2-GND 8" (solid, remove dead copper, pour order 1952): 430 vertices, not listed, extent 1.1,22.409 18.631,35.955
GND on IN2 "IN2-GND 9" (solid, remove dead copper, pour order 1943): 331 vertices, not listed, extent 11.484,22.295 17.366,26.355
GND on IN2 "IN2-GND 10" (solid, remove dead copper, pour order 1948): 1534 vertices, not listed, extent 23.745,20.695 34.367,36.9
GND on IN2 "IN2-GND 11" (solid, remove dead copper, pour order 1916): 20 vertices, not listed, extent 1.1,20.395 8.15,23.255
GND on IN2 "IN2-GND 12" (solid, remove dead copper, pour order 1937): 371 vertices, not listed, extent 23.93,18.295 30.805,23.767
GND on IN2 "IN2-GND 13" (solid, remove dead copper, pour order 1887): 39 vertices, not listed, extent 33.184,17.095 36.174,18.205
GND on IN2 "IN2-GND 14" (solid, remove dead copper, pour order 1914): 64 vertices, not listed, extent 1.1,14.795 3.693,16.405
GND on IN2 "IN2-GND 15" (solid, remove dead copper, pour order 1877): 43 vertices, not listed, extent 22.334,15.445 23.055,16.62
GND on IN2 "IN2-GND 16" (solid, remove dead copper, pour order 1938): 516 vertices, not listed, extent 29.484,14.795 38.9,17.961
GND on IN2 "IN2-GND 17" (solid, remove dead copper, pour order 1882): 188 vertices, not listed, extent 14.311,14.095 15.792,14.955
GND on IN2 "IN2-GND 18" (solid, remove dead copper, pour order 1885): 69 vertices, not listed, extent 27.445,13.961 28.666,14.905
GND on IN2 "IN2-GND 19" (solid, remove dead copper, pour order 1891): 102 vertices, not listed, extent 15.827,13.585 17.372,14.455
GND on IN2 "IN2-GND 20" (solid, remove dead copper, pour order 1913): 76 vertices, not listed, extent 1.1,13.195 4.792,14.609
GND on IN2 "IN2-GND 21" (solid, remove dead copper, pour order 1915): 246 vertices, not listed, extent 9.329,12.677 14.366,13.955
GND on IN2 "IN2-GND 22" (solid, remove dead copper, pour order 1903): 344 vertices, not listed, extent 34.457,12.29 36.555,14.009
GND on IN2 "IN2-GND 23" (solid, remove dead copper, pour order 1930): 162 vertices, not listed, extent 4.526,11.745 8.139,13.38
GND on IN2 "IN2-GND 24" (solid, remove dead copper, pour order 1907): 84 vertices, not listed, extent 1.1,10.795 2.764,12.455
GND on IN2 "IN2-GND 25" (solid, remove dead copper, pour order 1908): 190 vertices, not listed, extent 34.451,11.195 37.816,12.175
GND on IN2 "IN2-GND 26" (solid, remove dead copper, pour order 1896): 144 vertices, not listed, extent 7.184,10.695 8.816,12.405
GND on IN2 "IN2-GND 27" (solid, remove dead copper, pour order 1899): 67 vertices, not listed, extent 14.834,10.345 17.166,11.505
GND on IN2 "IN2-GND 28" (solid, remove dead copper, pour order 1883): 66 vertices, not listed, extent 2.88,9.745 4.516,10.305
GND on IN2 "IN2-GND 29" (solid, remove dead copper, pour order 1904): 22 vertices, not listed, extent 17.88,8.595 20.962,10.689
GND on IN2 "IN2-GND 30" (solid, remove dead copper, pour order 1931): 290 vertices, not listed, extent 3.968,7.895 12.802,9.705
GND on IN2 "IN2-GND 31" (solid, remove dead copper, pour order 1942): 221 vertices, not listed, extent 1.1,6.945 14.091,9.455
GND on IN2 "IN2-GND 32" (solid, remove dead copper, pour order 1911): 56 vertices, not listed, extent 1.1,6.505 2.983,8.005
GND on IN2 "IN2-GND 33" (solid, remove dead copper, pour order 1951): 4950 vertices, not listed, extent 17.83,5.674 38.355,23.205
GND on IN2 "IN2-GND 34" (solid, remove dead copper, pour order 1934): 213 vertices, not listed, extent 13.495,4.704 19.916,8.955
GND on IN2 "IN2-GND 35" (solid, remove dead copper, pour order 1927): 501 vertices, not listed, extent 22.976,4.134 26.005,8.516
GND on IN2 "IN2-GND 36" (solid, remove dead copper, pour order 1918): 171 vertices, not listed, extent 32.195,3.134 35.005,8.705
GND on IN2 "IN2-GND 37" (solid, remove dead copper, pour order 1940): 1366 vertices, not listed, extent 29.845,3.034 37.672,13.105
GND on IN2 "IN2-GND 38" (solid, remove dead copper, pour order 1890): 62 vertices, not listed, extent 19.584,1.495 21.216,2.405
GND on IN2 "IN2-GND 39" (solid, remove dead copper, pour order 1939): 107 vertices, not listed, extent 11.95,1.1 18.816,6.655
GND on IN2 "IN2-GND 40" (solid, remove dead copper, pour order 1950): 1099 vertices, not listed, extent 1.1,1.1 16.966,9.355
GND on IN2 "IN2-GND 41" (solid, remove dead copper, pour order 1926): 62 vertices, not listed, extent 6.195,1.1 11.25,2.555
GND on IN2 "IN2-GND 42" (solid, remove dead copper, pour order 1947): 730 vertices, not listed, extent 33.128,1.1 38.9,9.705
GND on IN2 "IN2-GND 43" (solid, remove dead copper, pour order 1945): 954 vertices, not listed, extent 14.995,1.1 24.255,9.488
GND on IN2 "IN2-GND 44" (solid, remove dead copper, pour order 1920): 71 vertices, not listed, extent 22.139,1.1 26.405,4.626
GND on IN2 "IN2-GND 45" (solid, remove dead copper, pour order 1935): 301 vertices, not listed, extent 16.595,1.1 23.255,4.824
GND on IN2 "IN2-GND 46" (solid, remove dead copper, pour order 1912): 1.1,34.795 1.1,36.9 2.605,36.9 2.605,36.819 2.949,36.475 1.269,34.795 1.1,34.795